# KiCad board IMUArray_SensorBoard.kicad_pcb (continued)
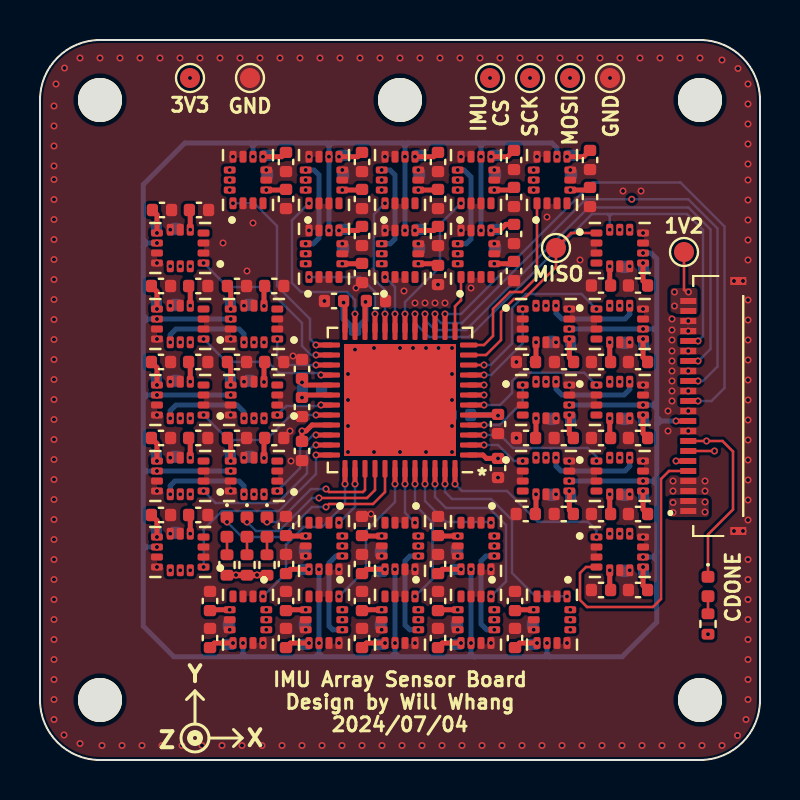
[diagram p0: board, top side]
## Routing (per net, layer and track width the routed paths; a pad name or vN(x,y) marks a point on that pad's centre or on a via; arc(x,y) is an arc through that point) (continued)
FPGA_CDONE: length 40.8
  Top w0.127: D1.1 33.4,11.28 34.65,12.53 34.65,15.42 34.12,15.95 v1(33.33,15.95) J1.8
  Top w0.25: U33.7 v1(22.2,18.25)
  In3.Cu w0.127: v1(22.2,18.25) 22.6,18.25 23.25,18.9 23.25,23.35 28.88,28.98 32.67,28.98 33.35,28.3 33.35,15.97 v1(33.33,15.95)
FPGA_CS: length 25.9
  Top w0.127: J1.16 v1(32.9,19.95)
  Top w0.25: U33.16 19.25,22.25
  Bottom w0.127: v1(32.9,19.95) 32.92,19.95 33.53,20.55 33.53,26.52 32.42,27.62 27.42,27.62 21.3,21.5 19.75,21.5 19.25,22 v1(19.25,22.3)
FPGA_LED_B: length 6.7
  Top w0.127: v1(14.3,13.55) 14.45,13.4 16.15,13.4 16.25,13.5 U33.39
  Bottom w0.127: v1(14.3,13.55) 13.55,13.55 11.9,11.9 v1(11.35,11.9)
FPGA_LED_G: length 8.5
  Top w0.127: U33.40 16.75,13.5 16.35,13.1 v1(13.95,13.1)
  Bottom w0.127: v1(13.95,13.1) 13.6,13.1 11.95,11.45 10.8,11.45 v1(10.35,11.9)
FPGA_LED_R: length 10.4
  Top w0.127: U33.41 17.25,13.4 16.65,12.8 14.45,12.8 v1(14.3,12.65) ; 9.35,11.95 9.3,11.9
  Bottom w0.127: v1(9.35,11.9) 10.1,11.15 12.1,11.15 13.6,12.65 v1(14.3,12.65)
FPGA_RST: length 34
  Top w0.127: v1(33.72,15.45) J1.7
  Top w0.25: v1(22.2,18.75) U33.8
  In3.Cu w0.127: v1(22.2,18.75) 22.5,18.75 22.85,19.1 22.85,23.59 28.64,29.38 32.83,29.38 33.75,28.45 33.75,15.47 v1(33.72,15.45)
FPGA_SCK: length 179.2
  Top w0.127: J1.14 v1(32.9,18.95)
  Top w0.25: U33.15 19.75,22.25
  In3.Cu w0.127: 28.99,19.39 v1(28.99,18.92) ; 28.99,19.39 28.96,19.39 28.89,19.46 ; 28.99,19.39 28.99,19.46 ; 25.61,19.46 28.89,19.46 ; 28.89,19.46 28.99,19.46 ; 28.99,19.46 v1(28.99,22.72) ; 28.99,15.54 28.99,15.51 ; 28.99,15.51 28.99,15.76 ; 28.99,15.51 v1(28.99,15.11)
  In3.Cu w0.25: 28.88,15.65 25.55,15.65 25.3,15.4 v1(25.3,15.11) ; 28.88,15.65 28.99,15.76 28.99,15.84 ; 28.88,15.65 28.99,15.54 v1(28.99,15.11) v1(28.99,11.31) 28.99,8.19 27.81,7.01 v1(26.52,7.01) 23.81,7.01 ; 23.81,7.01 23.71,7.01 23.5,7.22 ; 23.81,7.01 23.29,7.01 ; v1(25.3,18.92) 25.3,19.15 25.61,19.46 28.99,19.46 ; 7.39,12.54 7.19,12.54 ; 7.39,12.54 10.34,12.54 10.7,12.9 v1(10.7,13.28) ; 7.39,12.54 7.21,12.54 7.01,12.34 ; 7.19,12.54 7.01,12.54 ; 7.19,12.54 7.01,12.71 7.01,12.76 ; 15.8,7.2 15.61,7.01 ; 15.8,7.2 15.8,10.6 15.7,10.7 v1(15.11,10.7) ; 15.8,7.2 15.99,7.01 16.01,7.01 ; 15.61,7.01 v1(11.31,7.01) 8.69,7.01 7.01,8.69 v1(7.01,9.48) 7.01,12.34 ; 15.61,7.01 16.01,7.01 ; 28.99,15.51 28.99,15.84 ; 28.99,15.84 v1(28.99,18.92) ; 23.5,7.22 23.29,7.01 ; 23.5,7.22 23.5,10.5 23.3,10.7 v1(22.72,10.7) ; 23.29,7.01 20.11,7.01 ; 7.01,16.44 7.01,19.81 ; 7.01,16.44 7.2,16.25 ; 7.01,16.44 7.01,16.11 ; 7.01,19.81 7.01,19.86 7.16,20.01 ; 7.01,19.81 7.01,20.01 ; 19.8,7.3 20.09,7.01 20.11,7.01 ; 19.8,7.3 19.51,7.01 ; 19.8,7.3 19.8,10.5 19.6,10.7 v1(18.92,10.7) ; 12.35,29 v1(9.48,29) 8.65,29 7.01,27.36 v1(7.01,24.69) 7.01,20.21 ; 12.35,29 12.4,29 12.6,28.8 ; 12.35,29 12.6,29 ; 7.01,12.34 7.01,12.54 ; 28.99,23.46 28.94,23.46 28.76,23.64 ; 28.99,23.46 28.99,23.64 ; 28.99,23.46 v1(28.99,22.72) v1(28.99,18.92) ; 19.51,7.01 16.01,7.01 ; 19.51,7.01 20.11,7.01 ; 16,29 16.15,29 16.3,28.85 ; 16,29 12.85,29 ; 16,29 16.3,29 ; 7.16,20.01 7.01,20.01 ; 7.16,20.01 10.31,20.01 10.7,20.4 v1(10.7,20.89) ; 7.16,20.01 7.01,20.16 7.01,20.21 ; 7.01,20.01 7.01,20.21 ; 7.01,12.76 7.01,16.11 ; 7.01,12.76 7.01,12.54 ; 20.1,28.85 20.25,29 ; 20.1,28.85 20.1,28.6 ; 20.1,28.85 19.95,29 ; 20.25,29 20.1,29 ; 20.25,29 v1(24.69,29) 25,29 25.35,29.35 25.35,31.05 24.5,31.9 v1(24.5,34.1) ; 20.1,29 19.95,29 ; 20.1,29 20.1,28.6 ; 7.01,16.11 7.15,16.25 7.2,16.25 ; 12.6,28.8 12.6,25.55 12.84,25.31 v1(13.28,25.31) ; 12.6,28.8 12.8,29 12.85,29 ; 12.6,28.8 12.6,29 ; 16.3,28.85 16.45,29 ; 16.3,28.85 16.3,28.75 ; 16.45,29 19.95,29 ; 16.45,29 16.3,29 ; 28.99,23.64 28.99,23.84 ; 28.99,23.64 28.76,23.64 ; 20.1,28.6 20.1,25.7 20.49,25.31 v1(20.89,25.31) ; 28.76,23.64 25.64,23.64 25.3,23.3 v1(25.3,22.72) ; 28.76,23.64 28.96,23.84 28.99,23.84 ; v1(28.99,18.92) 28.99,19.36 28.89,19.46 28.99,19.56 ; 7.2,16.25 10.4,16.25 10.7,16.55 v1(10.7,17.08) ; 16.3,28.75 16.3,25.65 16.64,25.31 v1(17.08,25.31) ; 16.3,28.75 16.3,29 ; 28.99,23.84 v1(28.99,26.52) 28.99,27.01 29.59,27.61 v1(29.59,28.04) ; 12.85,29 12.6,29
  Bottom w0.127: v1(19.75,22.3) 19.75,22.15 20.05,21.85 21.1,21.85 27.29,28.04 v1(29.59,28.04) 32.41,28.04 33.88,26.58 33.88,19.67 33.15,18.95 v1(32.9,18.95)
  vias: v1(7.01,20.89) v1(7.01,17.08) v1(7.01,13.28) v1(13.28,29) v1(15.11,7.01) v1(17.08,29) v1(18.92,7.01) v1(20.89,29) v1(22.72,7.01)
FPGA_SI: length 175
  Top w0.127: J1.18 v1(32.9,20.95)
  Top w0.25: U33.17 18.75,22.25
  In3.Cu w0.25: 28.03,14.45 28.49,14.91 v1(28.49,15.11) ; 28.03,14.45 24.85,14.45 24.8,14.4 ; 28.03,14.45 28.03,11.78 v1(28.49,11.31) ; 18.25,11.2 18.25,7.65 18.39,7.51 v1(18.92,7.51) ; 18.25,11.2 17.65,11.8 15.72,11.8 v1(15.11,11.2) 14.4,11.2 ; 18.25,11.2 v1(18.92,11.2) 19.1,11.2 19.7,11.8 21.45,11.8 22.05,11.2 ; 11.2,17.75 v1(11.2,17.08) 11.8,16.48 11.8,14.55 11.2,13.95 ; 11.2,17.75 11.8,18.35 11.8,20.28 v1(11.2,20.89) 11.2,21.55 ; 11.2,17.75 7.8,17.75 7.51,17.46 v1(7.51,17.08) ; 14,8.2 14.69,7.51 v1(15.11,7.51) ; 14,8.2 14.4,8.6 14.4,11.2 ; 14,8.2 12.4,8.2 11.71,7.51 v1(11.31,7.51) ; 21.75,25.3 21.55,25.1 ; 21.75,25.3 21.55,25.5 ; 21.75,25.3 21.8,25.3 ; 21.55,25.1 21.55,25.35 ; 21.55,25.1 21.26,24.81 v1(20.89,24.81) 19.81,24.81 19.2,24.2 18.36,24.2 17.75,24.81 v1(17.08,24.81) 16.26,24.81 15.7,24.25 14.51,24.25 13.95,24.81 v1(13.28,24.81) 12.46,24.81 ; v1(13.28,28.5) 13.75,28.5 13.95,28.3 13.95,24.8 ; 24.15,10.95 24.15,9.45 26.09,7.51 v1(26.52,7.51) ; 24.15,10.95 24.15,11.9 ; 24.15,10.95 23.9,11.2 ; 11.2,21.55 8,21.55 ; 11.2,21.55 12.05,22.4 12.05,24.55 ; v1(28.49,18.92) 28.49,18.44 28.28,18.22 25.58,18.22 ; 14.4,11.2 13.8,11.8 12.25,11.8 ; 22.05,11.2 22.05,7.75 22.29,7.51 v1(22.72,7.51) ; 22.05,11.2 v1(22.72,11.2) 23.9,11.2 ; 21.55,25.5 21.55,28.25 21.3,28.5 v1(20.89,28.5) ; 21.55,25.5 21.55,25.35 ; 11.2,13.95 v1(11.2,13.28) 12.1,12.39 12.1,12 ; 11.2,13.95 7.8,13.95 7.51,13.66 v1(7.51,13.28) ; 21.55,25.35 21.6,25.3 21.8,25.3 ; 24.8,14.4 v1(24.8,15.11) 24.8,15.83 25.3,16.33 25.3,18 ; 24.8,14.4 24.15,13.75 24.15,11.9 ; 25.55,22.05 28.28,22.05 28.49,22.26 v1(28.49,22.72) ; 25.55,22.05 25.45,22.05 25.3,21.9 ; 25.55,22.05 25.28,22.05 24.8,22.53 v1(24.8,22.72) 24.8,23.6 27.72,26.52 v1(28.49,26.52) ; 23.9,11.2 24.15,11.45 24.15,11.9 ; 25.3,18 25.53,18.22 25.58,18.22 ; 25.3,18 25.3,18.22 ; 12.05,24.55 12.31,24.81 12.46,24.81 ; 12.05,24.55 12.05,25 ; 12.1,12 12.1,11.8 ; 12.1,12 12.25,11.85 12.25,11.8 ; 12.1,11.8 11.6,11.3 8.65,11.3 7.51,10.16 v1(7.51,9.48) ; 12.1,11.8 12.25,11.8 ; 12.46,24.81 12.24,24.81 12.05,25 ; 8,21.55 8,24.2 v1(7.51,24.69) ; 8,21.55 7.51,21.06 v1(7.51,20.89) ; 25.3,21.9 25.3,20.15 24.8,19.65 v1(24.8,18.92) 24.8,18.72 25.3,18.22 ; 25.3,21.9 25.3,22.05 ; v1(17.08,28.5) 17.5,28.5 17.75,28.25 17.75,24.8 ; 25.58,18.22 25.3,18.22 ; 21.8,25.3 23.3,25.3 23.9,25.9 23.9,28 24.4,28.5 v1(24.69,28.5) 25.3,28.5 25.8,29 26.85,29 27.2,29.35 27.2,31.23 26.5,31.92 v1(26.5,34.1) ; 12.05,25 12.05,27.05 10.6,28.5 v1(9.48,28.5)
  Bottom w0.127: 28.38,27.3 28.49,27.19 ; 28.38,27.3 27.6,27.3 21.45,21.15 19.45,21.15 18.75,21.85 v1(18.75,22.3) ; 28.38,27.3 28.6,27.3 ; 28.49,27.19 v1(28.49,26.52) ; 28.49,27.19 28.6,27.3 ; v1(32.9,20.95) 33.15,21.2 33.15,26.5 32.35,27.3 28.6,27.3
FPGA_SO: length 28.6
  Top w0.127: J1.12 v1(32.9,17.95)
  Top w0.25: U33.14 20.25,22.25
  Bottom w0.127: v1(32.9,17.95) 33.58,17.95 34.22,18.6 34.22,26.67 32.03,28.88 27.62,28.88 21.05,22.3 v1(20.25,22.3)
FSYNC: length 243.4
  Top w0.25: J1.10 v1(31.8,16.95)
  Bottom w0.127: 10.9,30.85 10.74,30.85 10.65,30.76 ; 10.9,30.85 14.6,30.85 ; 10.9,30.85 10.54,30.85 ; 13.95,5.26 13.86,5.16 13.75,5.16 ; 13.95,5.26 14.04,5.16 14.15,5.16 ; 13.95,5.26 13.95,5.36 ; 30.84,10.4 30.84,10.29 30.69,10.15 ; 30.84,10.4 30.84,16.81 ; 30.84,10.4 30.84,10.02 ; 21.85,30.85 18.05,30.85 ; 21.85,30.85 21.91,30.85 ; 21.85,30.85 25.6,30.85 ; 30.84,10.02 30.71,10.15 30.69,10.15 ; 30.84,10.02 30.84,6.89 ; 30.69,10.15 v1(30.15,10.15) ; 30.97,16.95 30.84,16.81 ; 30.97,16.95 v1(31.8,16.95) ; 30.97,16.95 30.84,17.09 ; 30.84,16.81 30.84,17.09 ; 10.4,5.16 13.75,5.16 ; 10.4,5.16 9.96,5.16 ; 10.4,5.16 10.29,5.16 10.15,5.31 ; 13.75,5.16 14.15,5.16 ; 30.84,17.09 30.84,25.06 ; 17.95,5.16 17.84,5.16 17.75,5.26 ; 17.95,5.16 17.55,5.16 ; 17.95,5.16 25.1,5.16 ; 17.55,5.16 14.15,5.16 ; 17.55,5.16 17.66,5.16 17.75,5.26 ; 17.75,5.26 17.75,5.36 ; 25.1,5.16 29.11,5.16 ; 25.1,5.16 25.21,5.16 ; 14.7,30.85 18.05,30.85 ; 18.05,30.85 18.11,30.85 18.25,30.71 v1(18.25,30.16) ; 10.01,5.16 9.96,5.16 ; 9.96,5.16 6.69,5.16 ; 5.16,25.97 5.28,25.85 5.29,25.85 ; 5.16,25.97 5.16,25.6 ; 5.16,25.97 5.16,28.77 ; 5.16,10.9 5.16,6.69 ; 5.16,10.9 5.16,18.45 ; 5.16,10.9 5.16,10.79 ; 5.16,25.6 5.16,25.72 5.29,25.85 ; 5.16,25.6 5.16,18.45 ; v1(10.65,30.16) 10.65,30.76 ; 10.65,30.76 10.56,30.85 10.54,30.85 ; 10.54,30.85 7.24,30.85 ; 5.31,18.25 v1(5.85,18.25) ; 5.29,25.85 v1(5.85,25.85) ; 5.16,18.45 5.16,18.39
  Bottom w0.25: v1(14.45,26.48) v1(14.45,30.16) 14.45,30.7 ; v1(25.35,5.85) 25.35,5.31 ; 25.35,5.31 25.49,5.16 25.54,5.16 ; 25.35,5.31 25.21,5.16 ; 10.8,30.85 7.24,30.85 5.16,28.77 5.16,6.69 6.69,5.16 10.29,5.16 ; 10.8,30.85 18.1,30.85 ; 10.8,30.85 10.65,30.7 ; 5.36,22.05 5.16,21.85 ; 5.36,22.05 5.16,22.25 ; 5.36,22.05 v1(5.85,22.05) v1(9.53,22.05) ; 22.05,30.71 22.19,30.85 22.25,30.85 ; 22.05,30.71 v1(22.05,30.16) v1(22.05,26.48) ; 22.05,30.71 21.91,30.85 ; 10.15,5.31 10.29,5.17 10.29,5.16 ; 10.15,5.31 v1(10.15,5.85) ; 10.15,5.31 10.01,5.16 ; 30.69,21.55 v1(30.15,21.55) v1(26.47,21.55) ; 30.69,21.55 30.84,21.7 ; 30.69,21.55 30.84,21.4 ; 14.45,30.7 14.6,30.85 14.7,30.85 ; 14.45,30.7 14.3,30.85 ; 21.55,5.31 21.4,5.16 ; 21.55,5.31 21.7,5.16 21.74,5.16 ; 21.55,5.31 v1(21.55,5.85) v1(21.55,9.53) ; 30.64,17.75 v1(30.15,17.75) v1(26.47,17.75) ; 30.64,17.75 30.84,17.55 ; 30.64,17.75 30.84,17.95 ; v1(30.15,25.35) 30.55,25.35 30.84,25.06 30.84,10.46 ; 30.84,10.46 30.84,10.34 30.65,10.15 ; 30.84,10.46 30.84,6.89 29.11,5.16 21.74,5.16 ; 10.65,30.7 10.5,30.85 ; 10.65,30.7 v1(10.65,30.16) ; 18.25,30.71 18.39,30.85 18.45,30.85 ; 17.75,5.36 v1(17.75,5.85) v1(17.75,9.53) ; 17.75,5.36 17.55,5.16 ; 17.75,5.36 17.95,5.16 ; v1(26.47,13.95) v1(30.15,13.95) 30.64,13.95 ; v1(5.85,10.65) 5.31,10.65 ; 5.31,10.65 5.29,10.65 5.16,10.52 ; 5.31,10.65 5.16,10.79 ; 5.36,18.25 5.16,18.05 ; v1(9.53,14.45) v1(5.85,14.45) 5.31,14.45 ; 30.65,10.15 v1(30.15,10.15) ; 30.65,10.15 30.84,9.96 ; 18.1,30.85 18.25,30.7 v1(18.25,30.16) v1(18.25,26.48) ; 18.1,30.85 25.6,30.85 25.85,30.6 v1(25.85,30.16) ; v1(5.85,25.85) 5.35,25.85 ; 5.35,25.85 5.16,25.66 5.16,25.6 ; 5.35,25.85 5.16,26.04 ; 30.84,16.89 30.9,16.95 v1(31.8,16.95) ; 13.95,5.36 14.15,5.16 ; 13.95,5.36 13.75,5.16 ; 13.95,5.36 v1(13.95,5.85) v1(13.95,9.53) ; 10.29,5.16 21.74,5.16 ; 30.64,13.95 30.84,14.15 ; 30.64,13.95 30.84,13.75 ; 5.31,14.45 5.16,14.6 ; 5.31,14.45 5.16,14.3 ; 30.84,16.74 31.05,16.95 30.84,17.16 ; 5.16,18.39 5.31,18.25 v1(5.85,18.25) v1(9.53,18.25)
IMU1_INT: length 14.2
  Top w0.127: U16.4 27.3,9.65 27,9.35 27,8 27.35,7.65 30.65,7.65 31.05,8.05 31.05,14.05 31.45,14.45 J1.5
IMU_CS: length 208
  Top w0.25: J1.6 v1(31.8,14.95)
  In3.Cu w0.127: v1(9.48,29.5) 9.3,29.5 ; v1(22.72,6.51) 22.89,6.51
  In3.Cu w0.25: 4.85,16.25 4.65,16.25 ; 4.85,16.25 4.8,16.25 4.65,16.4 ; 4.85,16.25 4.65,16.05 4.65,16 ; 4.85,16.25 6.2,16.25 6.51,16.56 v1(6.51,17.08) ; 4.65,16.25 4.65,16 ; 4.65,16.25 4.65,16.4 ; 23.4,4.7 22.9,4.7 ; 23.4,4.7 23.3,4.7 23.1,4.9 ; 23.4,4.7 26.7,4.7 ; 22.9,4.7 19.9,4.7 ; 22.9,4.7 23.1,4.9 ; 4.85,12.65 6.2,12.65 6.51,12.96 v1(6.51,13.28) ; 4.85,12.65 4.65,12.85 ; 4.85,12.65 4.65,12.45 ; 4.85,12.65 4.65,12.65 ; 8.85,30.85 8.85,31.05 ; 8.85,30.85 8.85,29.9 9.25,29.5 v1(9.48,29.5) ; 8.85,30.85 8.85,31.2 8.9,31.25 ; 8.85,31.05 8.65,31.25 8.6,31.25 ; 8.85,31.05 9.05,31.25 ; 30.9,23.45 30.9,26.6 30.7,26.8 29.77,26.8 v1(29.49,26.52) ; 30.9,23.45 30.9,23.1 ; 30.9,23.45 30.9,23.35 30.65,23.1 ; 30.9,14.7 30.9,12.2 ; 30.9,14.7 30.9,15.2 ; 30.9,14.7 31.15,14.95 ; 30.9,12.2 30.7,12 ; 30.9,12.2 30.9,12 ; 12.7,30.95 12.45,31.2 12.45,31.25 ; 12.7,30.95 12.95,31.2 12.95,31.25 ; 12.7,30.95 12.7,31.2 12.75,31.25 ; 12.7,30.95 12.7,29.75 12.95,29.5 v1(13.28,29.5) ; 12.45,31.25 12.75,31.25 ; 12.45,31.25 9.05,31.25 ; 12.75,31.25 12.95,31.25 ; 11.9,4.9 11.7,4.7 ; 11.9,4.9 11.9,6.3 11.69,6.51 v1(11.31,6.51) ; 11.9,4.9 12.1,4.7 ; 11.7,4.7 6.4,4.7 4.65,6.45 4.65,8.8 ; 11.7,4.7 12.1,4.7 ; 26.9,4.9 26.7,4.7 ; 26.9,4.9 27.1,4.7 ; 26.9,4.9 26.9,6.4 26.79,6.51 v1(26.52,6.51) ; 26.7,4.7 27.1,4.7 ; v1(24.69,29.5) 24.35,29.84 24.35,31 24.1,31.25 22.75,31.25 ; 30.9,19.6 30.9,19.4 ; 30.9,19.6 30.9,22.85 ; 30.9,19.6 30.7,19.4 ; 30.9,19.4 30.9,19.2 ; 30.9,19.4 30.7,19.4 ; 20.15,31.05 20.35,31.25 ; 20.15,31.05 20.15,31.25 ; 20.15,31.05 19.95,31.25 ; 20.15,31.05 20.15,29.7 20.35,29.5 v1(20.89,29.5) ; 20.35,31.25 20.15,31.25 ; 20.35,31.25 22.35,31.25 ; 19.5,4.9 19.3,4.7 ; 19.5,4.9 19.5,6.3 19.29,6.51 v1(18.92,6.51) ; 19.5,4.9 19.7,4.7 19.9,4.7 ; 19.3,4.7 16,4.7 ; 19.3,4.7 19.9,4.7 ; 4.65,8.8 4.65,9 ; 4.65,8.8 4.85,9 4.9,9 ; 30.65,23.1 30.9,23.1 ; 30.65,23.1 30.9,22.85 ; 30.65,23.1 29.7,23.1 29.49,22.89 v1(29.49,22.72) ; 4.85,20.1 4.65,20.3 4.65,20.35 ; 4.85,20.1 6.3,20.1 6.51,20.31 v1(6.51,20.89) ; 4.85,20.1 4.65,20.1 ; 4.85,20.1 4.65,19.9 4.65,19.85 ; 16.45,31 16.2,31.25 16.15,31.25 ; 16.45,31 16.45,29.7 16.65,29.5 v1(17.08,29.5) ; 16.45,31 16.45,31.2 16.5,31.25 ; 16.45,31 16.7,31.25 ; 4.65,12.65 4.65,12.85 ; 4.65,12.65 4.65,12.45 ; 4.65,12.85 4.65,16 ; 30.9,11.8 30.9,6.28 29.33,4.7 27.1,4.7 ; 30.9,11.8 30.7,12 ; 30.9,11.8 30.9,12 ; 31.15,14.95 30.9,15.2 ; 31.15,14.95 v1(31.8,14.95) ; 30.9,15.2 30.9,15.9 ; v1(15.11,6.51) 15.49,6.51 15.7,6.3 15.7,4.9 ; 8.6,31.25 8.9,31.25 ; 8.6,31.25 6.9,31.25 4.65,29 4.65,24.25 ; 4.65,23.75 4.65,23.8 4.9,24.05 ; 4.65,23.75 4.65,20.35 ; 4.65,23.75 4.65,24.05 ; 20.15,31.25 19.95,31.25 ; v1(29.49,15.11) 29.49,15.89 29.7,16.1 30.7,16.1 ; 19.95,31.25 16.7,31.25 ; 4.9,9 4.65,9.25 ; 4.9,9 6.25,9 6.51,9.26 v1(6.51,9.48) ; 4.9,9 4.65,9 ; 4.65,9.25 4.65,9 ; 4.65,9.25 4.65,12.45 ; 30.9,23.1 30.9,22.85 ; 23.1,4.9 23.1,6.4 22.99,6.51 v1(22.72,6.51) ; 15.7,4.9 15.5,4.7 ; 15.7,4.9 15.9,4.7 16,4.7 ; 15.5,4.7 16,4.7 ; 15.5,4.7 12.1,4.7 ; 8.9,31.25 9.05,31.25 ; 30.7,12 30.6,12 ; 30.9,19.2 30.9,16.4 ; 30.9,19.2 30.7,19.4 ; 30.9,16.4 30.9,16.1 ; 30.9,16.4 30.9,16.3 30.7,16.1 ; 4.9,24.05 4.65,24.05 ; 4.9,24.05 6.35,24.05 6.51,24.21 v1(6.51,24.69) ; 4.9,24.05 4.7,24.25 4.65,24.25 ; 4.65,16.4 4.65,19.85 ; 30.7,16.1 30.9,15.9 ; 30.7,16.1 30.9,16.1 ; 12.95,31.25 16.15,31.25 ; 16.15,31.25 16.5,31.25 ; 16.5,31.25 16.7,31.25 ; 4.65,20.35 4.65,20.1 ; 4.65,24.05 4.65,24.25 ; 4.65,20.1 4.65,19.85 ; v1(22.5,34.1) 22.5,31.4 ; 22.5,31.4 22.65,31.25 22.75,31.25 ; 22.5,31.4 22.35,31.25 ; 30.9,16.1 30.9,15.9 ; 22.75,31.25 22.35,31.25 ; 30.6,12 29.9,12 29.49,11.59 v1(29.49,11.31) ; 30.6,12 30.9,12 ; 30.7,19.4 29.7,19.4 29.49,19.19 v1(29.49,18.92)
  Bottom w0.127: v1(13.28,25.81) 13.3,25.8 13.65,25.8 13.95,26.1
  Bottom w0.25: v1(25.8,15.11) 25.8,14.7 26.05,14.45 29.25,14.45 29.49,14.69 v1(29.49,15.11) ; v1(10.2,20.89) 10.2,21.3 9.95,21.55 6.8,21.55 6.51,21.26 v1(6.51,20.89) ; v1(6.51,17.08) 6.51,17.46 6.8,17.75 9.85,17.75 10.2,17.4 v1(10.2,17.08) ; v1(29.49,22.72) 29.49,22.29 29.25,22.05 26.1,22.05 25.8,22.35 v1(25.8,22.72) ; v1(13.28,29.5) 13.7,29.5 13.95,29.25 13.95,26.1 13.66,25.81 v1(13.28,25.81) ; v1(10.2,13.28) 10.2,13.7 9.95,13.95 6.75,13.95 6.51,13.71 v1(6.51,13.28) ; v1(25.8,18.92) 25.8,18.55 26.1,18.25 29.2,18.25 29.49,18.54 v1(29.49,18.92) ; v1(17.08,29.5) 17.5,29.5 17.75,29.25 17.75,26.05 17.51,25.81 v1(17.08,25.81) ; v1(18.92,10.2) 18.5,10.2 18.25,9.95 18.25,6.75 18.49,6.51 v1(18.92,6.51) ; v1(22.72,10.2) 22.3,10.2 22.05,9.95 22.05,6.8 22.34,6.51 v1(22.72,6.51) ; v1(15.11,10.2) 14.8,10.2 14.45,9.85 14.45,6.7 14.64,6.51 v1(15.11,6.51) ; v1(20.89,29.5) 21.2,29.5 21.55,29.15 21.55,26.05 21.31,25.81 v1(20.89,25.81)
IMU_MISO1: length 5.6
  Top w0.25: U33.21 v1(16.75,22.3)
  Bottom w0.127: v1(13.45,24.15) 16,24.15 16.75,23.4 16.75,22.25
IMU_MISO2: length 2.9
  Top w0.25: v1(17.75,22.3) U33.19
  Bottom w0.127: v1(17.75,22.3) 17.75,23.65 v1(17.25,24.15)
IMU_MISO3: length 2.8
  Top w0.127: U33.13 20.75,22.69 21.05,22.99 U3.1
IMU_MISO4: length 10.2
  Top w0.25: U33.25 v1(13.8,20.75)
  Bottom w0.127: v1(9.65,27.84) 10.72,27.84 11.85,26.7 11.85,23.7 13.5,22.05 13.5,21.05 v1(13.8,20.75)
IMU_MISO5: length 9.4
  Top w0.25: U33.23 v1(15.75,22.3)
  Bottom w0.127: v1(13.45,27.84) 12.6,26.98 12.6,23.85 13.05,23.4 15.35,23.4 15.75,23 v1(15.75,22.3)
IMU_MISO6: length 6.9
  Top w0.25: U33.20 v1(17.25,22.3)
  Bottom w0.127: v1(17.25,27.84) 16.7,27.28 16.7,24.05 17.25,23.5 v1(17.25,22.3)
IMU_MISO7: length 7.6
  Top w0.25: U33.18 v1(18.25,22.3)
  Bottom w0.127: v1(21.05,27.84) 20,26.78 20,24.65 18.25,22.9 18.25,22.25
IMU_MISO8: length 9.3
  Top w0.127: U33.12 22.2,20.75 22.65,21.2 22.65,22.55 23.5,23.4 24.1,23.4 24.85,24.15 U8.1
IMU_MISO9: length 5.1
  Top w0.25: U33.9 v1(22.2,19.25)
  Bottom w0.127: v1(22.2,19.25) 22.55,19.25 24.14,20.83 v1(24.14,22.55)
IMU_MISO10: length 4
  Top w0.25: U33.4 v1(22.2,16.75)
  Bottom w0.127: v1(22.2,16.75) 22.98,16.75 24.14,17.91 v1(24.14,18.75)
IMU_MISO11: length 3
  Top w0.25: U33.2 v1(22.2,15.75)
  Bottom w0.127: v1(22.2,15.75) 22.9,15.75 23.7,14.95 v1(24.14,14.95)
IMU_MISO12: length 10.3
  Top w0.127: U12.1 26.55,26.35 TP8.1 25.8,24.65 24.2,23.05 23.7,23.05 23.05,22.4 23.05,21 22.3,20.25 U33.11
IMU_MISO13: length 9.2
  Top w0.127: U33.10 v1(22.2,19.75)
  Bottom w0.127: v1(27.82,22.55) 27.07,23.3 24.3,23.3 23.6,22.6 23.6,20.83 22.53,19.75 v1(22.2,19.75)
IMU_MISO14: length 7.7
  Top w0.25: U33.6 v1(22.2,17.75)
  Bottom w0.127: v1(27.82,18.75) 27.21,19.37 24.02,19.37 23.6,18.95 23.6,18.35 23,17.75 v1(22.2,17.75)
IMU_MISO15: length 7
  Top w0.25: U33.3 v1(22.2,16.25)
  Bottom w0.127: v1(22.2,16.25) 23,16.25 23.65,15.6 27.39,15.6 27.82,15.16 v1(27.82,14.95)
IMU_MISO16: length 9.1
  Top w0.25: U33.48 v1(20.75,13.8)
  Bottom w0.127: v1(27.82,11.15) 27.82,11.48 27.39,11.91 24.89,11.91 23.35,13.45 21.1,13.45 v1(20.75,13.8)
IMU_MISO17: length 5.4
  Top w0.25: U33.45 v1(19.25,13.8)
  Bottom w0.127: v1(22.55,11.86) 22.52,11.9 20.3,11.9 19.25,12.95 v1(19.25,13.8)
IMU_MISO18: length 2.9
  Top w0.25: U33.43 v1(18.25,13.8)
  Bottom w0.127: v1(18.75,11.86) 18.25,12.36 v1(18.25,13.8)
IMU_MISO19: length 3
  Top w0.25: U33.38 v1(15.75,13.8)
  Bottom w0.127: v1(14.95,11.86) 15.75,12.67 15.75,13.75
IMU_MISO20: length 11
  Top w0.25: U33.47 v1(20.25,13.8)
  Bottom w0.127: v1(20.25,13.8) 20.25,13.4 20.6,13.05 22.55,13.05 23.6,12 23.6,9.35 24.77,8.18 v1(26.35,8.18)
IMU_MISO21: length 9.4
  Top w0.25: U33.46 v1(19.75,13.8)
  Bottom w0.127: v1(19.75,13.8) 19.75,13.15 20.3,12.6 22.45,12.6 23.3,11.75 23.3,8.93 v1(22.55,8.18)
IMU_MISO22: length 7.1
  Top w0.25: U33.44 v1(18.75,13.8)
  Bottom w0.127: v1(18.75,8.18) 19.63,9.05 19.63,11.87 18.75,12.75 v1(18.75,13.8)
IMU_MISO23: length 7.5
  Top w0.25: U33.42 v1(17.75,13.8)
  Bottom w0.127: v1(14.95,8.18) 16.3,9.53 16.3,11.45 17.75,12.9 v1(17.75,13.8)
IMU_MISO24: length 8.6
  Top w0.25: v1(15.25,13.8) U33.37
  Bottom w0.127: v1(15.25,13.8) 15.25,12.8 14.1,11.65 13.19,11.65 12.3,10.76 12.3,9.33 v1(11.15,8.18)
IMU_MISO25: length 4.5
  Top w0.25: U33.34 v1(13.8,16.25)
  Bottom w0.127: v1(11.86,13.45) 13,14.58 13,15.6 13.65,16.25 v1(13.8,16.25)
IMU_MISO26: length 2.9
  Top w0.25: U33.31 14,17.75
  Bottom w0.127: v1(11.86,17.25) 12.31,17.7 13.95,17.7 14,17.75
  vias: v1(14.05,17.75)
IMU_MISO27: length 3.8
  Top w0.25: U33.27 v1(13.8,19.75)
  Bottom w0.127: v1(13.8,19.75) 12.25,19.75 11.86,20.14 v1(11.86,21.05)
IMU_MISO28: length 10.4
  Top w0.25: v1(13.8,15.25) U33.36
  Bottom w0.127: v1(8.18,9.65) 8.18,11.53 9.1,12.45 11.95,12.45 13.8,14.3 v1(13.8,15.25)
IMU_MISO29: length 8.5
  Top w0.25: U33.35 v1(13.8,15.75)
  Bottom w0.127: v1(13.8,15.75) 13.7,15.75 13.35,15.4 13.35,14.33 11.87,12.85 8.78,12.85 v1(8.18,13.45)
IMU_MISO30: length 7.4
  Top w0.25: U33.32 v1(13.8,17.25)
  Bottom w0.127: v1(8.18,17.25) 9.43,16 11.3,16 12.55,17.25 v1(13.8,17.25)
IMU_MISO31: length 7.1
  Top w0.25: U33.28 v1(14.05,19.25)
  Bottom w0.127: v1(14.05,19.25) 13.95,19.35 11.95,19.35 11.39,19.91 9.32,19.91 v1(8.18,21.05)
IMU_MISO32: length 9
  Top w0.25: 13.85,20.25 U33.26
  Bottom w0.127: 13.85,20.25 13.55,20.25 13.1,20.7 13.1,21.85 11.3,23.65 9.38,23.65 v1(8.18,24.85)
  vias: v1(13.8,20.25)
Net-(D1-Pad2): length 0.9
  Top w0.127: 33.4,7.28 D1.2
Net-(D2-Pad2): length 0.9
  Top w0.127: 9.35,10.23 D2.2
Net-(D3-Pad2): length 0.9
  Top w0.127: R5.1 D3.2
Net-(D4-Pad2): length 0.9
  Top w0.127: 11.35,10.23 D4.2

## Copper pours and planes (outline as drawn; the poured copper is in the pictures)
+1V2 on Top: 32.88,22.3 31.53,22.3 31.53,23.6 32.88,23.6
+1V2 on Bottom: 32.62,22.3 31.53,22.3 31.53,23.6 32.62,23.6
+1V2 on In2.Cu: 32.6,23.6 32.6,22.3 31.2,22.3 30.5,23 23.8,23 23.4,22.6 23.4,17.45 22.95,17 20.05,17 19.25,17.8 12.9,17.8 12.9,19.2 14,19.2 14.2,19.45 14.17,22 20.17,22 20.45,22.28 20.45,23.35 21.5,24.5 31.7,24.5
+3V3 on Top: 33.44,12.15 31.44,12.15 31.44,13.1 33.44,13.1
+3V3 on Bottom: 33.44,12.15 31.44,12.15 31.44,13.1 33.44,13.1
+3V3 on In2.Cu: 34.5,28.8 34.6,7.2 28.8,1.5 7.2,1.5 1.5,7.2 1.5,28.8 7.2,34.5 28.8,34.5
GND on Top, Bottom, In1.Cu, In2.Cu, In3.Cu, In4.Cu: 40,-3.14 -4,-3.14 -4,39.86 40,39.86

## Text on the board
F.Fab: ICM-42688-P | 10nF | MountingHole
F.Silkscreen: 3V3 | GND | IMU Array Sensor Board / Design by Will Whang / 2024/07/04 | * | MISO | 1V2 | IMU / CS | SCK | MOSI | CDONE | Z | Y | X
